# Altium PCB ROBOT1.PcbDoc (part 6 of 7)
Units mm, origin at the board's own origin, x right, y up, seen from the top; angles counter-clockwise.
Board outline 99.4 x 99.07 mm, 2 copper layers (Top Layer, Bottom Layer); 31 components, 29 nets, 151 pads, 0 vias.
Unrouted connection lines stored in the file: 3.
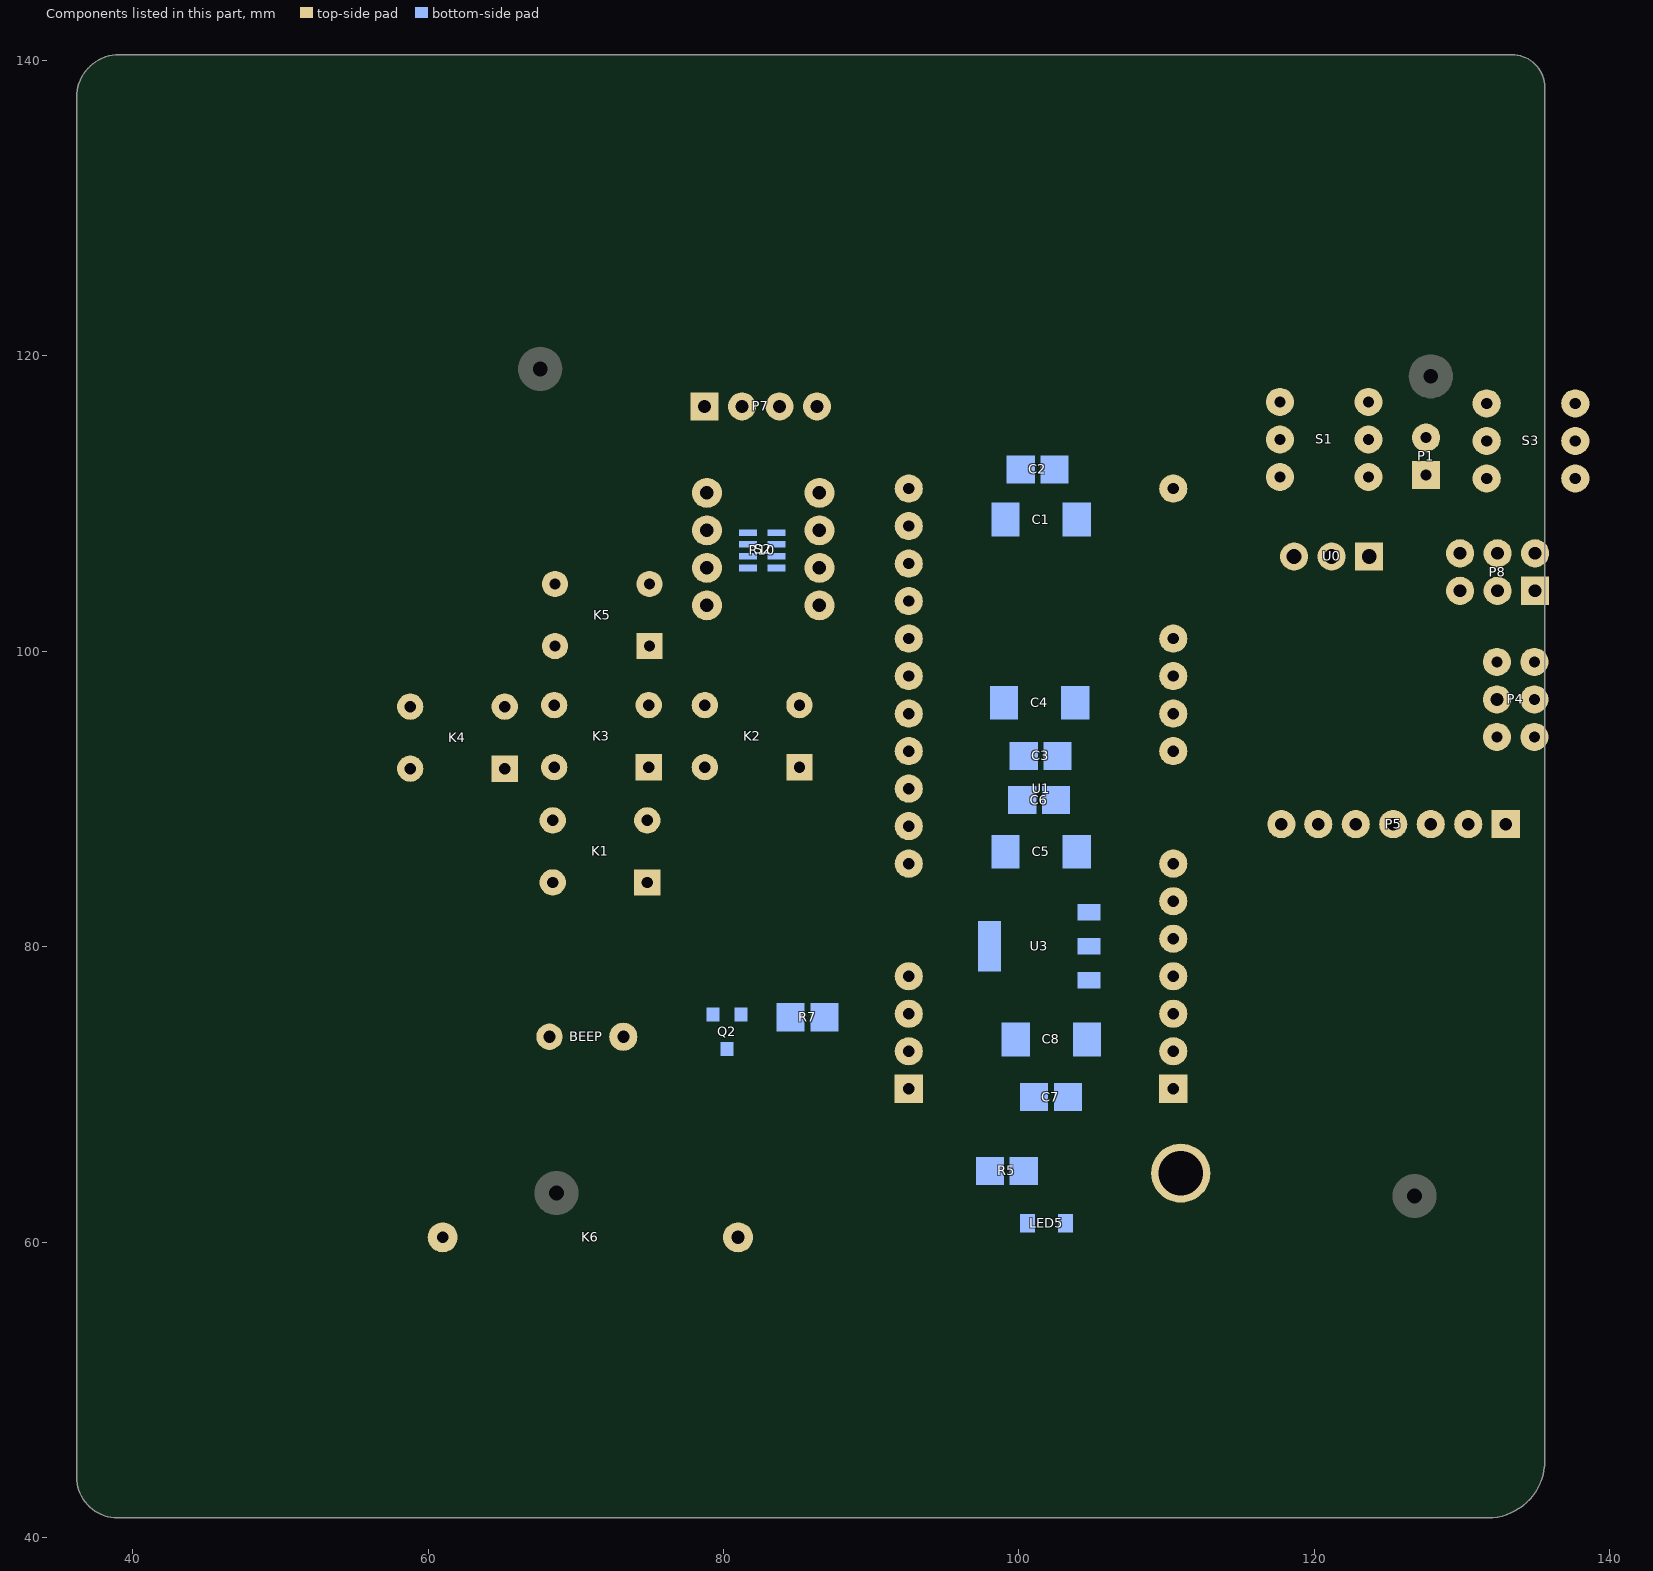
[diagram p6: the components of this part, seen from the top]

## Nets (pads, with @x,y where several pads share a name; then routed paths per layer and width w, separated by ;. In a path a pad name is that pad's centre, name@x,y a point inside that pad or via, vN(x,y) a via of type N, cw(c..) or ccw(c..) an arc to the next point about the centre after c; other vN are vias at no path point) (continued)
copper on no net: (continued)
  Bottom Layer w0.01: 62.822,113.548 62.842,113.548 ; 62.822,114.057 62.902,114.057 ; 62.822,114.067 62.902,114.067 ; 62.822,114.696 62.912,114.696 ; 62.822,114.706 62.912,114.706 ; 62.822,116.773 62.912,116.773 ; 62.822,117.411 62.912,117.411 ; 62.822,118.01 62.902,118.01 ; 62.822,118.789 62.902,118.789 ; 62.822,118.799 62.892,118.799 ; 62.832,112.61 62.912,112.61 ; 62.832,112.62 62.912,112.62 ; 62.832,113.379 62.902,113.379 ; 62.832,113.389 62.912,113.389 ; 62.832,114.077 62.912,114.077 ; 62.832,114.087 62.922,114.087 ; 62.832,114.716 62.922,114.716 ; 62.832,116.763 62.922,116.763 ; 62.832,117.391 62.922,117.391 ; 62.832,117.401 62.912,117.401 ; 62.832,118 62.912,118 ; 62.832,118.779 62.902,118.779 ; 62.842,112.63 62.922,112.63 ; 62.842,113.399 62.922,113.399 ; 62.842,114.097 62.922,114.097 ; 62.842,114.726 62.922,114.726 ; 62.842,116.743 62.932,116.743 ; 62.842,116.753 62.922,116.753 ; 62.842,117.381 62.932,117.381 ; 62.842,117.99 62.912,117.99 ; 62.842,118.759 62.912,118.759 ; 62.842,118.769 62.912,118.769 ; 62.852,112.64 62.922,112.64 ; 62.852,112.65 62.932,112.65 ; 62.852,112.66 62.932,112.66 ; 62.852,113.409 62.932,113.409 ; 62.852,113.419 62.932,113.419 ; 62.852,114.107 62.932,114.107 ; 62.852,114.117 62.942,114.117 ; 62.852,114.736 62.932,114.736 ; 62.852,114.746 62.932,114.746 ; 62.852,116.723 62.942,116.723 ; 62.852,116.733 62.932,116.733 ; 62.852,117.351 62.942,117.351 ; 62.852,117.361 62.942,117.361 ; 62.852,117.371 62.932,117.371 ; 62.852,117.96 62.932,117.96 ; 62.852,117.97 62.932,117.97 ; 62.852,117.98 62.922,117.98 ; 62.852,118.739 62.932,118.739 ; 62.852,118.749 62.922,118.749 ; 62.862,112.67 62.942,112.67 ; 62.862,113.428 62.942,113.428 ; 62.862,114.127 62.942,114.127 ; 62.862,114.756 62.942,114.756 ; 62.862,114.766 62.952,114.766 ; 62.862,116.703 62.952,116.703 ; 62.862,116.713 62.952,116.713 ; 62.862,117.342 62.952,117.342 ; 62.862,117.95 62.942,117.95 ; 62.862,118.729 62.932,118.729 ; 62.872,112.68 62.952,112.68 ; 62.872,112.69 62.952,112.69 ; 62.872,113.438 62.952,113.438 ; 62.872,113.448 62.952,113.448 ; 62.872,113.458 62.962,113.458 ; 62.872,113.468 62.962,113.468 ; 62.872,114.137 62.952,114.137 ; 62.872,114.147 62.962,114.147 ; 62.872,114.776 62.952,114.776 ; 62.872,116.683 62.962,116.683 ; 62.872,116.693 62.952,116.693 ; 62.872,117.322 62.962,117.322 ; 62.872,117.332 62.962,117.332 ; 62.872,117.93 62.952,117.93 ; 62.872,117.94 62.942,117.94 ; 62.872,118.709 62.942,118.709 ; 62.872,118.719 62.942,118.719 ; 62.882,112.7 62.962,112.7 ; 62.882,114.157 62.972,114.157 ; 62.882,114.786 62.962,114.786 ; 62.882,114.796 62.972,114.796 ; 62.882,116.673 62.972,116.673 ; 62.882,117.312 62.972,117.312 ; 62.882,117.91 62.962,117.91 ; 62.882,117.92 62.952,117.92 ; 62.882,118.689 62.952,118.689 ; 62.882,118.699 62.952,118.699 ; 62.892,112.71 62.962,112.71 ; 62.892,112.72 62.972,112.72 ; 62.892,114.167 62.972,114.167 ; 62.892,114.177 62.982,114.177 ; 62.892,114.806 62.972,114.806 ; 62.892,116.653 62.982,116.653 ; 62.892,116.663 62.982,116.663 ; 62.892,117.292 62.982,117.292 ; 62.892,117.302 62.982,117.302 ; 62.892,117.901 62.972,117.901 ; 62.892,118.669 62.972,118.669 ; 62.892,118.679 62.962,118.679 ; 62.902,112.73 62.972,112.73 ; 62.902,112.74 62.982,112.74 ; 62.902,114.187 62.982,114.187 ; 62.902,114.816 62.982,114.816 ; 62.902,114.826 62.982,114.826 ; 62.902,116.643 62.992,116.643 ; 62.902,117.282 62.992,117.282 ; 62.902,117.881 62.982,117.881 ; 62.902,117.891 62.972,117.891 ; 62.902,118.659 62.972,118.659 ; 62.912,112.75 62.992,112.75 ; 62.912,112.76 62.992,112.76 ; 62.912,114.197 62.992,114.197 ; 62.912,114.207 62.992,114.207 ; 62.912,114.836 62.992,114.836 ; 62.912,114.846 62.992,114.846 ; 62.912,114.856 63.002,114.856 ; 62.912,116.623 63.002,116.623 ; 62.912,116.633 62.992,116.633 ; 62.912,117.262 63.002,117.262 ; 62.912,117.272 62.992,117.272 ; 62.912,117.861 62.992,117.861 ; 62.912,117.871 62.992,117.871 ; 62.912,118.639 62.982,118.639 ; 62.912,118.649 62.982,118.649 ; 62.922,112.77 63.002,112.77 ; 62.922,113.548 63.012,113.548 ; 62.922,114.217 63.002,114.217 ; 62.922,114.227 63.012,114.227 ; 62.922,114.866 63.012,114.866 ; 62.922,116.603 63.012,116.603 ; 62.922,116.613 63.012,116.613 ; 62.922,117.242 63.012,117.242 ; 62.922,117.252 63.012,117.252 ; 62.922,117.851 63.002,117.851 ; 62.922,118.619 62.992,118.619 ; 62.922,118.629 62.992,118.629 ; 62.932,112.78 63.012,112.78 ; 62.932,112.79 63.012,112.79 ; 62.932,113.558 63.012,113.558 ; 62.932,114.237 63.012,114.237 ; 62.932,114.247 63.022,114.247 ; 62.932,114.876 63.022,114.876 ; 62.932,116.593 63.022,116.593 ; 62.932,117.232 63.022,117.232 ; 62.932,117.821 63.012,117.821 ; 62.932,117.831 63.012,117.831 ; 62.932,117.841 63.002,117.841 ; 62.932,118.599 63.012,118.599 ; 62.932,118.609 63.002,118.609 ; 62.942,112.8 63.022,112.8 ; 62.942,112.81 63.022,112.81 ; 62.942,113.568 63.022,113.568 ; 62.942,113.578 63.022,113.578 ; 62.942,114.257 63.022,114.257 ; 62.942,114.886 63.022,114.886 ; 62.942,116.573 63.032,116.573 ; 62.942,116.583 63.032,116.583 ; 62.942,117.212 63.032,117.212 ; 62.942,117.222 63.022,117.222 ; 62.942,117.811 63.022,117.811 ; 62.942,118.579 63.022,118.579 ; 62.942,118.589 63.012,118.589 ; 62.952,112.82 63.032,112.82 ; 62.952,113.588 63.032,113.588 ; 62.952,113.598 63.042,113.598 ; 62.952,114.267 63.032,114.267 ; 62.952,114.277 63.042,114.277 ; 62.952,114.896 63.032,114.896 ; 62.952,114.906 63.042,114.906 ; 62.952,116.563 63.042,116.563 ; 62.952,117.192 63.042,117.192 ; 62.952,117.202 63.042,117.202 ; 62.952,117.791 63.032,117.791 ; 62.952,117.801 63.022,117.801 ; 62.952,118.569 63.022,118.569 ; 62.962,112.83 63.032,112.83 ; 62.962,112.84 63.042,112.84 ; 62.962,113.608 63.042,113.608 ; 62.962,114.287 63.042,114.287 ; 62.962,114.297 63.052,114.297 ; 62.962,114.916 63.042,114.916 ; 62.962,114.926 63.052,114.926 ; 62.962,116.543 63.052,116.543 ; 62.962,116.553 63.042,116.553 ; 62.962,117.182 63.052,117.182 ; 62.962,117.771 63.042,117.771 ; 62.962,117.781 63.042,117.781 ; 62.962,118.549 63.032,118.549 ; 62.962,118.559 63.032,118.559 ; 62.972,112.85 63.042,112.85 ; 62.972,112.86 63.052,112.86 ; 62.972,113.618 63.052,113.618 ; 62.972,113.628 63.052,113.628 ; 62.972,114.307 63.052,114.307 ; 62.972,114.936 63.052,114.936 ; 62.972,114.946 63.062,114.946 ; 62.972,116.523 63.062,116.523 ; 62.972,116.533 63.062,116.533 ; 62.972,117.162 63.062,117.162 ; 62.972,117.172 63.052,117.172 ; 62.972,117.761 63.052,117.761 ; 62.972,118.529 63.052,118.529 ; 62.972,118.539 63.042,118.539 ; 62.982,112.869 63.062,112.869 ; 62.982,113.638 63.062,113.638 ; 62.982,114.317 63.062,114.317 ; 62.982,114.327 63.072,114.327 ; 62.982,114.956 63.062,114.956 ; 62.982,114.966 63.072,114.966 ; 62.982,116.513 63.072,116.513 ; 62.982,117.152 63.072,117.152 ; 62.982,117.741 63.062,117.741 ; 62.982,117.751 63.052,117.751 ; 62.982,118.519 63.052,118.519 ; 62.992,112.879 63.062,112.879 ; 62.992,112.889 63.072,112.889 ; 62.992,113.648 63.062,113.648 ; 62.992,113.658 63.072,113.658 ; 62.992,114.337 63.072,114.337 ; 62.992,114.976 63.082,114.976 ; 62.992,114.986 63.082,114.986 ; 62.992,116.493 63.082,116.493 ; 62.992,116.503 63.082,116.503 ; 62.992,117.132 63.082,117.132 ; 62.992,117.142 63.082,117.142 ; 62.992,117.731 63.062,117.731 ; 62.992,118.499 63.062,118.499 ; 62.992,118.509 63.062,118.509 ; 63.002,112.899 63.082,112.899 ; 63.002,112.909 63.082,112.909 ; 63.002,113.668 63.082,113.668 ; 63.002,113.678 63.082,113.678 ; 63.002,114.347 63.082,114.347 ; 63.002,114.357 63.092,114.357 ; 63.002,114.996 63.092,114.996 ; 63.002,116.483 63.092,116.483 ; 63.002,117.112 63.092,117.112 ; 63.002,117.122 63.092,117.122 ; 63.002,117.711 63.082,117.711 ; 63.002,117.721 63.072,117.721 ; 63.002,118.479 63.072,118.479 ; 63.002,118.489 63.072,118.489 ; 63.012,112.919 63.092,112.919 ; 63.012,112.929 63.092,112.929 ; 63.012,113.688 63.092,113.688 ; 63.012,113.698 63.092,113.698 ; 63.012,114.367 63.092,114.367 ; 63.012,114.377 63.102,114.377 ; 63.012,115.006 63.092,115.006 ; 63.012,116.463 63.102,116.463 ; 63.012,116.473 63.092,116.473 ; 63.012,117.102 63.102,117.102 ; 63.012,117.681 63.092,117.681 ; 63.012,117.691 63.092,117.691 ; 63.012,117.701 63.082,117.701 ; 63.012,118.46 63.082,118.46 ; 63.012,118.469 63.082,118.469 ; 63.022,112.939 63.102,112.939 ; 63.022,112.949 63.102,112.949 ; 63.022,113.708 63.102,113.708 ; 63.022,114.387 63.102,114.387 ; 63.022,114.397 63.112,114.397 ; 63.022,115.016 63.102,115.016 ; 63.022,115.026 63.112,115.026 ; 63.022,116.443 63.112,116.443 ; 63.022,116.453 63.112,116.453 ; 63.022,117.082 63.112,117.082 ; 63.022,117.092 63.102,117.092 ; 63.022,117.661 63.102,117.661 ; 63.022,117.671 63.102,117.671 ; 63.022,118.45 63.092,118.45 ; 63.032,112.959 63.112,112.959 ; 63.032,113.718 63.102,113.718 ; 63.032,113.728 63.112,113.728 ; 63.032,114.407 63.112,114.407 ; 63.032,115.036 63.112,115.036 ; 63.032,115.046 63.122,115.046 ; 63.032,116.433 63.122,116.433 ; 63.032,117.072 63.122,117.072 ; 63.032,117.651 63.112,117.651 ; 63.032,118.43 63.102,118.43 ; 63.032,118.44 63.092,118.44 ; 63.042,112.969 63.122,112.969 ; 63.042,113.738 63.122,113.738 ; 63.042,114.417 63.122,114.417 ; 63.042,115.056 63.132,115.056 ; 63.042,116.413 63.132,116.413 ; 63.042,116.423 63.132,116.423 ; 63.042,117.052 63.132,117.052 ; 63.042,117.062 63.122,117.062 ; 63.042,117.641 63.122,117.641 ; 63.042,118.41 63.112,118.41 ; 63.042,118.42 63.112,118.42 ; 63.052,112.979 63.122,112.979 ; 63.052,112.989 63.132,112.989 ; 63.052,112.999 63.132,112.999 ; 63.052,113.748 63.122,113.748 ; 63.052,113.758 63.132,113.758 ; 63.052,114.427 63.132,114.427 ; 63.052,114.437 63.132,114.437 ; 63.052,115.066 63.132,115.066 ; 63.052,115.076 63.142,115.076 ; 63.052,116.403 63.142,116.403 ; 63.052,117.032 63.142,117.032 ; 63.052,117.042 63.132,117.042 ; 63.052,117.621 63.132,117.621 ; 63.052,117.631 63.122,117.631 ; 63.052,118.4 63.122,118.4 ; 63.062,113.009 63.142,113.009 ; 63.062,113.019 63.142,113.019 ; 63.062,113.768 63.132,113.768 ; 63.062,113.778 63.142,113.778 ; 63.062,114.447 63.142,114.447 ; 63.062,114.457 63.152,114.457 ; 63.062,115.086 63.142,115.086 ; 63.062,116.383 63.152,116.383 ; 63.062,116.393 63.142,116.393 ; 63.062,117.012 63.152,117.012 ; 63.062,117.022 63.142,117.022 ; 63.062,117.601 63.142,117.601 ; 63.062,117.611 63.142,117.611 ; 63.062,118.38 63.132,118.38 ; 63.062,118.39 63.132,118.39 ; 63.072,113.029 63.152,113.029 ; 63.072,113.788 63.142,113.788 ; 63.072,113.798 63.152,113.798 ; 63.072,114.467 63.162,114.467 ; 63.072,114.477 63.162,114.477 ; 63.072,115.096 63.152,115.096 ; 63.072,115.105 63.162,115.105 ; 63.072,116.363 63.162,116.363 ; 63.072,116.373 63.162,116.373 ; 63.072,117.002 63.162,117.002 ; 63.072,117.581 63.152,117.581 ; 63.072,117.591 63.142,117.591 ; 63.072,118.36 65.557,118.36 ; 63.072,118.37 63.142,118.37 ; 63.082,113.039 63.152,113.039 ; 63.082,113.049 63.162,113.049 ; 63.082,113.808 63.162,113.808 ; 63.082,113.818 63.162,113.818 ; 63.082,114.487 63.172,114.487 ; 63.082,115.115 63.162,115.115 ; 63.082,115.125 63.172,115.125 ; 63.082,116.353 63.172,116.353 ; 63.082,116.982 63.172,116.982 ; 63.082,116.992 63.172,116.992 ; 63.082,117.571 63.162,117.571 ; 63.082,118.34 65.547,118.34 ; 63.082,118.35 65.557,118.35 ; 63.092,113.059 63.172,113.059 ; 63.092,113.828 63.172,113.828 ; 63.092,114.497 63.172,114.497 ; 63.092,114.507 63.182,114.507 ; 63.092,115.135 63.172,115.135 ; 63.092,116.333 63.182,116.333 ; 63.092,116.343 63.172,116.343 ; 63.092,116.962 63.182,116.962 ; 63.092,116.972 63.182,116.972 ; 63.092,117.551 63.172,117.551 ; 63.092,117.561 63.162,117.561 ; 63.092,118.32 65.527,118.32 ; 63.092,118.33 65.537,118.33 ; 63.102,113.069 63.172,113.069 ; 63.102,113.079 63.182,113.079 ; 63.102,113.838 63.172,113.838 ; 63.102,113.848 63.182,113.848 ; 63.102,114.517 63.182,114.517 ; 63.102,115.145 63.182,115.145 ; 63.102,116.313 63.192,116.313 ; 63.102,116.323 63.192,116.323 ; 63.102,116.952 63.192,116.952 ; 63.102,117.531 63.182,117.531 ; 63.102,117.541 63.182,117.541 ; 63.102,118.31 65.517,118.31 ; 63.112,113.089 63.182,113.089 ; 63.112,113.099 63.192,113.099 ; 63.112,113.858 63.182,113.858 ; 63.112,113.868 63.192,113.868 ; 63.112,114.527 63.192,114.527 ; 63.112,114.537 63.201,114.537 ; 63.112,115.155 63.192,115.155 ; 63.112,115.165 63.192,115.165 ; 63.112,116.303 63.201,116.303 ; 63.112,116.932 63.201,116.932 ; 63.112,116.942 63.201,116.942 ; 63.112,117.521 63.192,117.521 ; 63.112,118.29 65.507,118.29 ; 63.112,118.3 65.517,118.3 ; 63.122,113.109 63.192,113.109 ; 63.122,113.119 63.201,113.119 ; 63.122,113.878 63.201,113.878 ; 63.122,113.888 63.201,113.888 ; 63.122,114.546 63.211,114.546 ; 63.122,115.175 63.201,115.175 ; 63.122,115.185 63.201,115.185 ; 63.122,116.283 63.211,116.283 ; 63.122,116.293 63.211,116.293 ; 63.122,116.922 63.211,116.922 ; 63.122,117.501 63.201,117.501 ; 63.122,117.511 63.192,117.511 ; 63.122,118.27 63.201,118.27 ; 63.122,118.28 63.201,118.28 ; 63.132,113.129 63.211,113.129 ; 63.132,113.139 63.211,113.139 ; 63.132,113.898 63.211,113.898 ; 63.132,114.556 63.211,114.556 ; 63.132,114.566 63.221,114.566 ; 63.132,115.195 63.211,115.195 ; 63.132,115.205 63.221,115.205 ; 63.132,116.263 63.221,116.263 ; 63.132,116.273 63.221,116.273 ; 63.132,116.902 63.221,116.902 ; 63.132,116.912 63.211,116.912 ; 63.132,117.481 63.211,117.481 ; 63.132,117.491 63.201,117.491 ; 63.132,118.25 63.211,118.25 ; 63.132,118.26 63.201,118.26 ; 63.142,113.149 63.221,113.149 ; 63.142,113.908 63.211,113.908 ; 63.142,113.918 63.221,113.918 ; 63.142,114.576 63.221,114.576 ; 63.142,114.586 63.231,114.586 ; 63.142,115.215 63.231,115.215 ; 63.142,115.225 63.231,115.225 ; 63.142,116.253 63.231,116.253 ; 63.142,116.882 63.231,116.882 ; 63.142,116.892 63.221,116.892 ; 63.142,117.461 63.221,117.461 ; 63.142,117.471 63.221,117.471 ; 63.142,118.23 63.221,118.23 ; 63.142,118.24 63.221,118.24 ; 63.152,113.159 63.221,113.159 ; 63.152,113.169 63.231,113.169 ; 63.152,113.928 63.221,113.928 ; 63.152,113.938 63.231,113.938 ; 63.152,114.596 63.231,114.596 ; 63.152,114.606 63.241,114.606 ; 63.152,115.235 63.241,115.235 ; 63.152,116.233 63.241,116.233 ; 63.152,116.243 63.241,116.243 ; 63.152,116.872 63.241,116.872 ; 63.152,117.451 63.231,117.451 ; 63.152,118.22 63.231,118.22 ; 63.162,113.179 63.241,113.179 ; 63.162,113.948 63.241,113.948 ; 63.162,114.616 63.251,114.616 ; 63.162,115.245 63.241,115.245 ; 63.162,116.214 63.261,116.214 ; 63.162,116.224 63.251,116.224 ; 63.162,116.862 63.241,116.862 ; 63.162,117.431 63.241,117.431 ; 63.162,117.441 63.231,117.441 ; 63.162,118.2 63.241,118.2 ; 63.162,118.21 63.241,118.21 ; 63.172,113.189 63.241,113.189 ; 63.172,113.199 63.251,113.199 ; 63.172,113.958 63.241,113.958 ; 63.172,113.968 63.251,113.968 ; 63.172,114.626 63.251,114.626 ; 63.172,114.636 63.261,114.636 ; 63.172,115.255 63.251,115.255 ; 63.172,115.265 63.261,115.265 ; 63.172,116.204 63.261,116.204 ; 63.172,116.842 63.261,116.842 ; 63.172,116.852 63.251,116.852 ; 63.172,117.411 63.251,117.411 ; 63.172,117.421 63.251,117.421 ; 63.172,118.18 63.251,118.18 ; 63.172,118.19 63.251,118.19 ; 63.182,113.209 63.251,113.209 ; 63.182,113.219 65.477,113.219 ; 63.182,113.978 63.261,113.978 ; 63.182,113.987 63.261,113.987 ; 63.182,114.646 63.261,114.646 ; 63.182,115.275 63.261,115.275 ; 63.182,115.285 63.271,115.285 ; 63.182,116.184 63.271,116.184 ; 63.182,116.194 63.271,116.194 ; 63.182,116.822 63.271,116.822 ; 63.182,116.832 63.261,116.832 ; 63.182,117.391 63.261,117.391 ; 63.182,117.401 63.261,117.401 ; 63.182,118.16 63.261,118.16 ; 63.182,118.17 63.261,118.17 ; 63.192,113.229 65.487,113.229 ; 63.192,113.239 65.477,113.239 ; 63.192,113.997 63.261,113.997 ; 63.192,114.656 63.271,114.656 ; 63.192,114.666 63.281,114.666 ; 63.192,115.295 63.281,115.295 ; 63.192,116.174 63.281,116.174 ; 63.192,116.812 63.281,116.812 ; 63.192,117.381 63.271,117.381 ; 63.192,118.15 63.261,118.15 ; 63.201,113.249 65.477,113.249 ; 63.201,113.259 65.467,113.259 ; 63.201,114.007 63.271,114.007 ; 63.201,114.017 63.281,114.017 ; 63.201,114.676 63.281,114.676 ; 63.201,115.305 63.281,115.305 ; 63.201,115.315 63.291,115.315 ; 63.201,116.154 63.291,116.154 ; 63.201,116.164 63.291,116.164 ; 63.201,116.792 63.291,116.792 ; 63.201,116.802 63.281,116.802 ; 63.201,117.361 63.281,117.361 ; 63.201,117.371 63.281,117.371 ; 63.201,118.13 63.281,118.13 ; 63.201,118.14 63.271,118.14 ; 63.211,113.269 65.457,113.269 ; 63.211,114.027 63.281,114.027 ; 63.211,114.037 63.291,114.037 ; 63.211,114.686 63.291,114.686 ; 63.211,114.696 63.291,114.696 ; 63.211,114.706 63.301,114.706 ; 63.211,115.325 63.291,115.325 ; 63.211,115.335 63.301,115.335 ; 63.211,116.134 63.301,116.134 ; 63.211,116.144 63.301,116.144 ; 63.211,116.773 63.301,116.773 ; 63.211,116.783 63.291,116.783 ; 63.211,117.342 63.291,117.342 ; 63.211,117.351 63.281,117.351 ; 63.211,118.11 63.291,118.11 ; 63.211,118.12 63.291,118.12 ; 63.221,113.279 65.447,113.279 ; 63.221,113.289 65.447,113.289 ; 63.221,114.047 63.291,114.047 ; 63.221,114.057 63.301,114.057 ; 63.221,114.716 63.311,114.716 ; 63.221,114.726 63.321,114.726 ; 63.221,114.736 63.321,114.736 ; 63.221,115.345 63.301,115.345 ; 63.221,115.355 63.311,115.355 ; 63.221,115.365 63.321,115.365 ; 63.221,115.375 63.321,115.375 ; 63.221,116.114 63.321,116.114 ; 63.221,116.124 63.311,116.124 ; 63.221,116.763 63.311,116.763 ; 63.221,117.322 63.301,117.322 ; 63.221,117.332 63.301,117.332 ; 63.221,118.1 64.988,118.1 ; 63.231,113.299 63.311,113.299 ; 63.231,114.067 63.311,114.067 ; 63.231,114.746 63.331,114.746 ; 63.231,116.104 63.321,116.104 ; 63.231,116.743 63.321,116.743 ; 63.231,116.753 63.311,116.753 ; 63.231,117.312 63.311,117.312 ; 63.231,118.08 64.988,118.08 ; 63.231,118.09 64.998,118.09 ; 63.241,113.309 63.311,113.309 ; 63.241,113.319 63.321,113.319 ; 63.241,114.077 63.311,114.077 ; 63.241,114.087 63.321,114.087 ; 63.241,114.756 63.331,114.756 ; 63.241,115.385 63.331,115.385 ; 63.241,116.094 63.331,116.094 ; 63.241,116.733 63.331,116.733 ; 63.241,117.292 63.321,117.292 ; 63.241,117.302 63.321,117.302 ; 63.241,118.06 64.978,118.06 ; 63.241,118.07 64.988,118.07 ; 63.251,113.329 63.321,113.329 ; 63.251,113.339 63.331,113.339 ; 63.251,114.097 63.331,114.097 ; 63.251,114.107 63.331,114.107 ; 63.251,114.766 63.341,114.766 ; 63.251,115.395 63.331,115.395 ; 63.251,116.074 63.341,116.074 ; 63.251,116.084 63.331,116.084 ; 63.251,116.713 63.341,116.713 ; 63.251,116.723 63.331,116.723 ; 63.251,117.272 63.331,117.272 ; 63.251,117.282 63.331,117.282 ; 63.251,118.05 64.968,118.05 ; 63.261,113.349 63.331,113.349 ; 63.261,113.359 63.341,113.359 ; 63.261,114.117 63.341,114.117 ; 63.261,114.127 63.341,114.127 ; 63.261,114.776 63.341,114.776 ; 63.261,115.405 63.341,115.405 ; 63.261,115.415 63.341,115.415 ; 63.261,116.054 63.351,116.054 ; 63.261,116.064 63.341,116.064 ; 63.261,116.693 63.351,116.693 ; 63.261,116.703 63.341,116.703 ; 63.261,117.262 63.341,117.262 ; 63.261,118.03 63.421,118.03 ; 63.261,118.04 64.968,118.04 ; 63.271,113.369 63.351,113.369 ; 63.271,113.379 63.351,113.379 ; 63.271,114.137 63.351,114.137 ; 63.271,114.786 63.351,114.786 ; 63.271,114.796 63.361,114.796 ; 63.271,115.425 63.351,115.425 ; 63.271,116.044 63.361,116.044 ; 63.271,116.683 63.351,116.683 ; 63.271,117.242 63.351,117.242 ; 63.271,117.252 63.341,117.252 ; 63.271,118.01 63.351,118.01 ; 63.271,118.02 63.341,118.02 ; 63.281,113.389 63.361,113.389 ; 63.281,113.399 63.371,113.399 ; 63.281,114.147 63.351,114.147 ; 63.281,114.157 63.361,114.157 ; 63.281,114.806 63.371,114.806 ; 63.281,115.435 63.361,115.435 ; 63.281,115.445 63.371,115.445 ; 63.281,116.024 63.371,116.024 ; 63.281,116.034 63.361,116.034 ; 63.281,116.663 63.371,116.663 ; 63.281,116.673 63.361,116.673 ; 63.281,117.222 63.361,117.222 ; 63.281,117.232 63.361,117.232 ; 63.281,118 63.361,118 ; 63.291,113.409 63.371,113.409 ; 63.291,114.167 63.361,114.167 ; 63.291,114.177 63.371,114.177 ; 63.291,114.816 63.371,114.816 ; 63.291,114.826 63.381,114.826 ; 63.291,115.455 63.371,115.455 ; 63.291,116.004 63.381,116.004 ; 63.291,116.014 63.381,116.014 ; 63.291,116.643 63.381,116.643 ; 63.291,116.653 63.371,116.653 ; 63.291,117.212 63.371,117.212 ; 63.291,117.98 63.371,117.98 ; 63.291,117.99 